# Altium PCB HB_T_Type.PcbDoc (part 2 of 2)
Units mm, origin at the board's own origin, x right, y up, seen from the top; angles counter-clockwise.
Board outline 120 x 200 mm, 4 copper layers (Top Layer, GND, Vcc, Bottom Layer), stack 1.256 mm thick; 100 components, 83 nets, 371 pads, 36 vias.
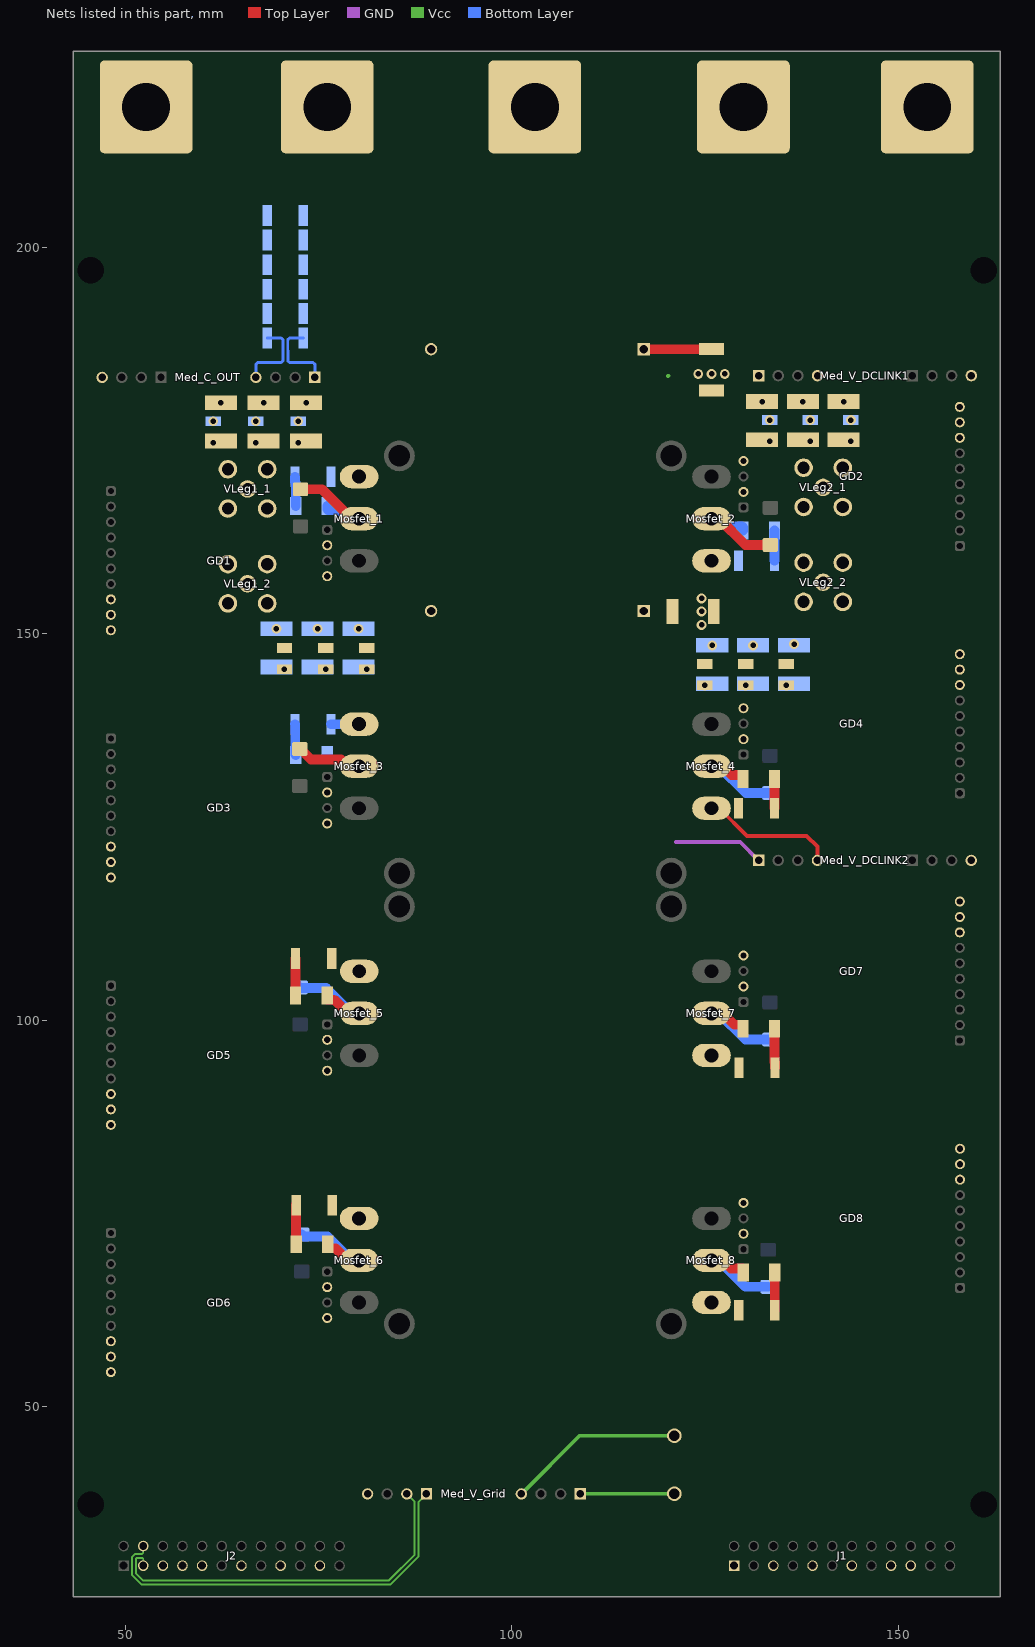
[diagram p4: the nets of this part, all layers, seen from the top]

## Via types
v1: diameter 1.27, hole 0.711, Top Layer to Bottom Layer, 24 vias
v2: diameter 1.27, hole 0.711, Top Layer to Bottom Layer, tented both sides, 12 vias

## Nets (pads, with @x,y where several pads share a name; then routed paths per layer and width w, separated by ;. In a path a pad name is that pad's centre, name@x,y a point inside that pad or via, vN(x,y) a via of type N, cw(c..) or ccw(c..) an arc to the next point about the centre after c; other vN are vias at no path point) (continued)
GD_Source1: C5.1 C8.1 D3.K D6.K GD1.12 GD1.14 Med_C_OUT.1 Mosfet_1.S Mosfet_3.D Mosfet_6.D R1.2 R4.2 R18.2 R19.2 R20.2 R21.2 R22.2 | length 32.8
  Top Layer w1.27: D3.K@72.575,135.125 72.675,135.125 74.032,133.768 77.918,133.768 78.796,132.89 Mosfet_3.D@80.264,132.89 ; C8.1@76.192,71.025 76.192,70.605 76.292,70.505 77.231,70.505 78.796,68.94 Mosfet_6.D@80.264,68.94
  Bottom Layer w0.381: R1.2@73.045,188.3 71.251,188.3 71.027,188.077 71.027,186.662 71.032,186.657 71.032,185.35 71.256,185.127 74.302,185.127 74.525,184.904 Med_C_OUT.1@74.525,183.2
  Bottom Layer w1.27: D6.K@72.825,72.3 73.09,72.035 76.169,72.035 79.264,68.94 Mosfet_6.D@80.264,68.94
GD_Source2: C6.1 C10.1 D4.K D8.K GD2.12 GD2.14 Mosfet_2.S Mosfet_4.D Mosfet_8.D Out_B.1 R5.2 | length 27.8
  Top Layer w1.27: Mosfet_8.D@125.857,68.94 127.325,68.94 128.37,67.895 129.858,67.895 129.958,67.795 C10.1@129.958,67.375 ; Mosfet_4.D@125.857,132.89 127.325,132.89 128.445,131.77 129.833,131.77 129.933,131.67 C6.1@129.933,131.25
  Bottom Layer w1.27: Mosfet_8.D@125.857,68.94 126.857,68.94 130.272,65.525 D8.K@133.2,65.525 ; Mosfet_4.D@125.857,132.89 126.857,132.89 130.322,129.425 D4.K@133.425,129.425
GD_Source3: GD3.12 GD3.14 GD4.12 GD4.14 Med_V_DCLINK2.4 Mosfet_3.S Mosfet_4.S N.1 R6.2 R7.2 R15.1 R16.1 R17.1 R26.1 R27.1 R28.1 R30.2 VLeg1_1.2 VLeg1_1.3 VLeg1_1.4 VLeg1_1.5 VLeg1_2.2 VLeg1_2.3 VLeg1_2.4 VLeg1_2.5 VLeg2_1.2 VLeg2_1.3 VLeg2_1.4 VLeg2_1.5 VLeg2_2.2 VLeg2_2.3 VLeg2_2.4 VLeg2_2.5 | length 21.2
  Top Layer w0.5: Mosfet_4.S@125.857,127.45 126.857,127.45 130.432,123.875 138.175,123.875 139.57,122.48 Med_V_DCLINK2.4@139.57,120.7
  Bottom Layer w1.27: R6.2@76.635,138.33 Mosfet_3.S@80.264,138.33
GD_Source5: GD5.12 GD5.14 GD6.12 GD6.14 Mosfet_5.S Mosfet_6.S R8.2 R9.2
GD_Source7: GD7.12 GD7.14 GD8.12 GD8.14 Mosfet_7.S Mosfet_8.S R10.2 R11.2
GND: GD1.8 GD1.9 GD1.10 GD2.8 GD2.9 GD2.10 GD3.8 GD3.9 GD3.10 GD4.8 GD4.9 GD4.10 GD5.8 GD5.9 GD5.10 GD6.8 GD6.9 GD6.10 GD7.8 GD7.9 GD7.10 GD8.8 GD8.9 GD8.10 J1.01 J1.05 J1.09 J1.13 J1.17 J1.19 J2.05 J2.07 J2.09 J2.13 J2.17 J2.21 Med_C_OUT.8 Med_V_DCLINK1.8 Med_V_DCLINK2.8 Med_V_Grid.8
NetC1_1: C1.1 R29.1 | length 8.8
  Top Layer w1.27: C1.1@117.075,186.85 R29.1@125.85,186.85
NetC2_1: C2.1 R30.1
  other v2: 124.575,151.175 124.575,152.925 124.575,154.6
NetC3_2: C3.2 R4.1 | length 3.8
  Bottom Layer w1.27: R4.1@71.965,170.35 71.965,169.685 72.058,169.592 C3.2@72.058,166.575
NetC4_2: C4.2 R5.1 | length 3.9
  Bottom Layer w1.27: R5.1@134.01,159.475 134.014,159.479 134.014,163.397 C4.2@134.017,163.4
NetC5_2: C5.2 R6.1 | length 4
  Bottom Layer w1.27: R6.1@71.965,138.33 72,138.295 72,134.408 C5.2@72.058,134.35
NetC6_2: C6.2 R7.1 | length 3.8
  Top Layer w1.27: R7.1@134.01,127.45 134.014,127.454 134.014,131.247 C6.2@134.017,131.25
NetC7_2: C7.2 R8.1 | length 4.8
  Top Layer w1.27: C7.2@72.033,103.2 R8.1@72.033,108
NetC8_2: C8.2 R9.1 | length 5.1
  Top Layer w1.27: C8.2@72.108,71.025 R9.1@72.108,76.1
NetC9_2: C9.2 R10.1 | length 5.1
  Top Layer w1.27: C9.2@134.017,98.925 134.017,94.608 134.085,94.54 R10.1@134.085,93.875
NetC10_2: C10.2 R11.1 | length 4.9
  Top Layer w1.27: R11.1@134.042,62.5 C10.2@134.042,67.375
NetC11_2: C11.2 R12.2
  other v1: 143.9,174.926
NetC12_2: C12.2 R13.2
  other v1: 138.625,174.926
NetC13_2: C13.2 R14.2
  other v1: 133.388,174.926
NetC14_2: C14.2 R15.2
  other v1: 70.602,145.428
NetC15_2: C15.2 R16.2
  other v1: 75.919,145.426
NetC16_2: C16.2 R17.2
  other v1: 81.219,145.426
NetC17_2: C17.2 R23.2
  other v1: 61.374,174.776
NetC18_2: C18.2 R24.2
  other v1: 66.887,174.776
NetC19_2: C19.2 R25.2
  other v1: 72.387,174.776
NetC20_2: C20.2 R26.2
  other v1: 124.994,143.351
NetC21_2: C21.2 R27.2
  other v1: 130.269,143.351
NetC22_2: C22.2 R28.2
  other v1: 135.553,143.353
O: C2.2 C7.1 C9.1 C14.1 C15.1 C16.1 C20.1 C21.1 C22.1 D5.K D7.K Med_V_DCLINK1.4 Med_V_DCLINK2.1 Mosfet_5.D Mosfet_7.D O.1 R12.1 R13.1 R14.1 R23.1 R24.1 R25.1 R29.2 | length 40.2
  Top Layer w1.27: C7.1@76.117,103.2 76.117,102.78 76.217,102.68 77.042,102.68 78.807,100.915 Mosfet_5.D@80.275,100.915 ; Mosfet_7.D@125.857,100.915 127.325,100.915 128.795,99.445 129.833,99.445 129.933,99.345 C9.1@129.933,98.925
  GND w0.5: 121.25,123.075 129.575,123.075 Med_V_DCLINK2.1@131.95,120.7
  Bottom Layer w1.27: D5.K@72.625,104.275 72.708,104.192 75.998,104.192 79.275,100.915 Mosfet_5.D@80.275,100.915 ; Mosfet_7.D@125.857,100.915 126.857,100.915 130.247,97.525 D7.K@133.425,97.525
  other v1: 125.959,148.523 131.235,148.523 136.535,148.685 69.559,150.673 74.884,150.673 80.185,150.673
  other v2: 61.374,177.536 66.887,177.536 72.387,177.536 133.388,177.686 138.625,177.686 143.9,177.686 124.15,183.65 125.875,183.65 127.575,183.65
Out_A: Med_C_OUT.4 Out_A.1 R1.1 R18.1 R19.1 R20.1 R21.1 R22.1 | length 10.2
  Bottom Layer w0.381: Med_C_OUT.4@66.905,183.2 66.905,184.904 67.128,185.127 70.174,185.127 70.397,185.35 70.397,186.394 70.392,186.399 70.392,188.077 70.169,188.3 R1.1@68.375,188.3
P: C1.2 C3.1 C4.1 C11.1 C12.1 C13.1 C17.1 C18.1 C19.1 D1.K D2.K Med_V_DCLINK1.1 Mosfet_1.D Mosfet_2.D P.1 VLeg1_1.1 VLeg1_2.1 VLeg2_1.1 VLeg2_2.1 | length 28.3
  Top Layer w1.27: D1.K@72.675,168.725 75.454,168.725 79.264,164.915 Mosfet_1.D@80.264,164.915 ; Mosfet_2.D@125.857,164.915 126.857,164.915 130.247,161.525 D2.K@133.475,161.525
  Vcc w0.5: 120.25,183.375 cw(c120.3,183.375) 120.3,183.425
  Bottom Layer w1.27: C3.1@76.142,166.575 76.142,166.155 76.242,166.055 77.656,166.055 78.796,164.915 Mosfet_1.D@80.264,164.915 ; Mosfet_2.D@125.857,164.915 127.325,164.915 128.32,163.92 129.833,163.92 129.933,163.82 C4.1@129.933,163.4
  other v1: 62.386,179.925 67.9,179.925 73.4,179.925 132.4,180.075 137.675,180.075 142.95,180.075
V_grid_N: J2.03 Med_V_Grid.6 | length 50
  Vcc w0.254: J2.03@52.324,29.44 52.324,30.307 52.175,30.456 51.502,30.456 51.358,30.312 51.358,28.45 52.283,27.525 84.125,27.525 87.451,30.851 87.451,37.709 Med_V_Grid.6@86.435,38.725
V_grid_P: J2.04 Med_V_Grid.5 | length 52.5
  Vcc w0.254: J2.04@52.324,31.98 52.324,31.113 52.175,30.964 51.292,30.964 50.85,30.522 50.85,28.24 52.073,27.017 84.335,27.017 87.959,30.641 87.959,37.709 Med_V_Grid.5@88.975,38.725
Vext1: J3.1 Med_V_Grid.1 | length 12.2
  Vcc w0.254: Med_V_Grid.1@108.875,38.725 Med_V_Grid.1@108.887,38.738 ; J3.1@121.038,38.738 J3.1@121.05,38.75
  Vcc w0.5: Med_V_Grid.1@108.887,38.738 J3.1@121.038,38.738
Vext2: J3.2 Med_V_Grid.4 | length 22.9
  Vcc w0.5: Med_V_Grid.4@101.255,38.725 108.78,46.25 J3.2@121.05,46.25
pads on no net: H1.0 H2.0 H3.0 H4.0 Med_C_OUT.2 Med_C_OUT.3 Med_V_DCLINK1.2 Med_V_DCLINK1.3 Med_V_DCLINK2.2 Med_V_DCLINK2.3 Med_V_Grid.2 Med_V_Grid.3 MH1.1 MH2.1 MH3.1 MH4.1

## Polygon pours and split planes (outlines as drawn)
GD_Source3 on Top Layer "Top Layer-GD_Source3" (solid, pour order 70): 130.1,125.2 130.1,129.05 ccw(c129.051,129.051) 129.05,130.1 122.925,130.1 cw(c122.924,131.149) 121.875,131.15 121.875,134.6 cw(c122.925,134.6) 122.925,135.65 145.25,135.65 ccw(c145.25,136.675) 146.275,136.675 146.275,171.75 ccw(c145.25,171.75) 145.25,172.775 136.4,172.775 ccw(c136.4,171.75) 135.375,171.75 135.375,150.3 cw(c134.375,150.3) 134.375,149.3 122.925,149.3 cw(c122.925,150.3) 121.925,150.3 121.925,203.31 ccw(c119.385,203.31) 119.385,205.85 86.915,205.85 cw(c86.914,208.389) 84.375,208.39 84.375,221.91 ccw(c81.835,221.91) 81.835,224.45 70.415,224.45 ccw(c70.415,221.91) 67.875,221.91 67.875,189.015 ccw(c70.415,189.015) 70.415,186.475 81.835,186.475 cw(c81.836,183.936) 84.375,183.935 84.375,156.775 cw(c83.388,156.812) 83.35,155.825 71.575,155.825 cw(c71.575,156.775) 70.625,156.775 70.625,171.325 ccw(c69.175,171.325) 69.175,172.775 60.475,172.775 ccw(c60.475,171.325) 59.025,171.325 59.025,136.875 ccw(c60.45,136.875) 60.45,135.45 83.35,135.45 cw(c83.35,134.314) 84.486,134.314 84.486,131.561 cw(c83.351,131.561) 83.35,130.425 75.475,130.425 ccw(c75.474,129.376) 74.425,129.375 74.425,125.2 ccw(c75.475,125.2) 75.475,124.15 129.05,124.15 ccw(c129.05,125.2)
12V on Top Layer "Top Layer-12V" (solid, pour order 32): 44.244,28.343 ccw(c46.025,28.343) 46.025,26.562 159.762,26.562 ccw(c159.763,28.342) 161.544,28.343 161.544,181.136 ccw(c160.819,181.136) 160.819,181.861 155.9,181.861 ccw(c155.9,181.136) 155.175,181.136 155.175,36.6 cw(c153.95,36.6) 153.95,35.375 52,35.375 cw(c52,36.6) 50.775,36.6 50.775,170.436 ccw(c50.1,170.436) 50.1,171.111 44.919,171.111 ccw(c44.918,170.436) 44.244,170.436
GD_Source7 on Top Layer "GD_SOURCE7_L01_P022" (solid, pour order 22): 124.465,92.413 ccw(c124.465,89.873) 121.925,89.873 121.925,80.025 ccw(c124.55,80.025) 124.55,77.4 130.602,77.4 cw(c130.602,76.703) 131.3,76.702 131.3,72.148 cw(c130.603,72.147) 130.602,71.45 124.797,71.45 ccw(c124.797,68.578) 121.925,68.578 ccw(c124.465,68.578) 124.465,66.038 129.337,66.038 cw(c129.337,65.325) 130.05,65.325 130.05,60.904 cw(c129.338,60.904) 129.337,60.192 109.59,60.163 cw(c109.59,62.702) 107.05,62.703 107.05,106.985 cw(c109.59,106.985) 109.59,109.525 131.025,109.525 cw(c131.025,108.8) 131.75,108.8 131.75,104.25 cw(c131.025,104.25) 131.025,103.525 124.465,103.525 ccw(c124.465,100.985) 121.925,100.985 121.925,100.952 ccw(c124.465,100.952) 124.465,98.413 129.812,98.413 cw(c129.813,97.8) 130.425,97.8 130.425,93.025 cw(c129.813,93.025) 129.812,92.412
GD_Source5 on Top Layer "GD_SOURCE5_L01_P023" (solid, pour order 23): 81.86,103.675 cw(c81.86,101.135) 84.4,101.135 84.396,100.986 cw(c81.86,100.985) 81.86,98.45 74.9,98.45 ccw(c74.9,97.95) 74.4,97.95 74.4,93.075 ccw(c74.9,93.075) 74.9,92.575 81.86,92.575 cw(c81.86,90.035) 84.4,90.035 84.396,80.461 cw(c81.86,80.46) 81.86,77.925 76.55,77.925 ccw(c76.55,77.1) 75.725,77.1 75.725,72.25 ccw(c76.55,72.25) 76.55,71.425 81.86,71.425 cw(c81.863,68.954) 84.334,68.951 84.326,68.766 cw(c81.858,68.769) 81.86,66.3 75.15,66.3 ccw(c75.15,65.55) 74.4,65.55 74.4,61.2 ccw(c75.15,61.2) 75.15,60.45 96.735,60.45 ccw(c96.735,62.99) 99.275,62.99 99.275,107.135 ccw(c96.735,107.135) 96.735,109.675 76.35,109.675 ccw(c76.349,109.051) 75.725,109.05 75.725,104.325 ccw(c76.35,104.325) 76.35,103.7
O on Top Layer "O_L01_P062" (solid, pour order 62): 123.15,184.15 123.15,181.204 ccw(c124.1,181.204) 124.1,180.254 127.575,180.254 ccw(c127.575,181.204) 128.525,181.204 128.525,184.15 ccw(c127.575,184.15) 127.575,185.1 124.1,185.1 ccw(c124.1,184.15)
NetC2_1 on Top Layer "NETC2_1_L01_P065" (solid, pour order 65): 123.902,150.325 126.848,150.325 ccw(c126.848,151.275) 127.798,151.275 127.798,154.75 ccw(c126.848,154.75) 126.848,155.7 123.902,155.7 ccw(c123.902,154.75) 122.952,154.75 122.952,151.275 ccw(c123.902,151.275)
O on GND "GND-Drain5" (solid, pour order 63): 127.925,98.4 ccw(c127.925,98.975) 128.5,98.975 128.5,102.9 ccw(c127.94,102.915) 127.925,103.475 124.45,103.475 cw(c124.449,105.999) 121.925,106 121.925,139.675 cw(c124.125,139.675) 124.125,141.875 144.15,141.875 ccw(c144.15,144) 146.275,144 146.275,183.225 ccw(c144.4,183.225) 144.4,185.1 122.875,185.1 cw(c122.875,186.05) 121.925,186.05 121.925,203.36 ccw(c119.385,203.36) 119.385,205.9 113.35,205.9 cw(c113.349,207.674) 111.575,207.675 111.575,222.3 ccw(c109.25,222.3) 109.25,224.625 96.59,224.625 ccw(c96.59,222.085) 94.05,222.085 94.05,208.44 cw(c91.511,208.439) 91.51,205.9 86.94,205.9 ccw(c86.94,203.36) 84.4,203.36 84.4,179.25 cw(c83.476,179.249) 83.475,178.325 60.5,178.325 ccw(c60.5,176.85) 59.025,176.85 59.025,142.075 ccw(c60.25,142.075) 60.25,140.85 81.875,140.85 cw(c81.875,138.325) 84.4,138.325 84.4,106.165 cw(c81.862,106.163) 81.86,103.625 78.325,103.625 ccw(c78.323,102.902) 77.6,102.9 77.6,99.125 ccw(c78.324,99.124) 78.325,98.4
GND on GND "GND-GND" (solid, pour order 43): 159.799,26.561 ccw(c159.8,28.36) 161.6,28.361 161.6,184.412 ccw(c160.865,184.414) 160.862,185.15 155.9,185.15 ccw(c155.898,184.414) 155.162,184.414 155.162,170.34 cw(c152.894,170.34) 154.498,168.735 152.201,166.438 ccw(c154.134,164.505) 151.4,164.505 151.4,141.605 cw(c148.128,141.605) 150.442,139.292 142.81,131.66 ccw(c146.335,128.135) 141.35,128.135 141.35,81.91 cw(c136.738,81.91) 139.999,78.649 ccw(c141.868,76.78) 139.225,76.78 139.225,55.134 cw(c134.375,55.134) 137.805,51.705 128.616,42.516 ccw(c131.369,39.762) 127.475,39.762 127.475,35.375 86.164,35.375 cw(c86.164,36.589) 84.95,36.589 84.95,48.95 ccw(c80.775,48.95) 80.775,53.125 70.875,53.125 cw(c70.875,56.4) 67.6,56.4 67.6,70.428 ccw(c64.349,70.428) 66.648,72.727 63.991,75.384 cw(c66.503,77.897) 62.95,77.897 62.95,100.445 ccw(c59.799,100.445) 62.027,102.673 59.801,104.899 cw(c62.52,107.617) 58.675,107.617 58.675,129.909 ccw(c55.982,129.909) 57.886,131.814 54.763,134.937 cw(c56.664,136.839) 53.975,136.839 53.975,161.267 ccw(c52.327,161.267) 53.492,162.433 51.716,164.209 cw(c53.987,166.48) 50.775,166.48 50.775,183.625 ccw(c49.627,183.627) 49.625,184.775 45.45,184.775 ccw(c45.448,183.627) 44.3,183.625 44.3,28.361 ccw(c46.101,28.361) 46.101,26.561
GD_Source2 on Bottom Layer "Bottom Layer-Drain4" (solid, pour order 30): 159.9,186.475 ccw(c159.526,188.824) 161.875,189.2 161.875,222.325 ccw(c159.901,222.326) 159.9,224.3 147.35,224.3 ccw(c147.349,222.326) 145.375,222.325 145.375,208.415 cw(c142.836,208.414) 142.835,205.875 109.59,205.875 ccw(c109.589,203.336) 107.05,203.335 107.05,68.84 ccw(c109.589,68.839) 109.59,66.3 127.65,66.3 ccw(c127.65,67.15) 128.5,67.15 128.5,70.6 ccw(c127.651,70.601) 127.65,71.45 123.375,71.45 cw(c123.375,72.9) 121.925,72.9 121.925,128.675 cw(c123.375,128.675) 123.375,130.125 125.825,130.1 128.15,130.125 ccw(c128.151,130.549) 128.575,130.55 128.575,135.025 ccw(c128.151,135.026) 128.15,135.45 123.375,135.45 cw(c123.375,136.9) 121.925,136.9 121.925,155.151 cw(c123.374,155.151) 123.375,156.6 129.275,156.6 ccw(c129.276,157.599) 130.275,157.6 130.275,161.375 ccw(c129.276,161.376) 129.275,162.375 123.383,162.375 cw(c123.382,163.832) 121.925,163.833 121.925,165.975 cw(c123.375,165.975) 123.375,167.425 130.875,167.425 ccw(c130.875,168.25) 131.7,168.25 131.7,178.158 ccw(c130.908,178.125) 130.875,178.917 123.383,178.917 cw(c123.383,180.375) 121.925,180.375 121.925,185.017 cw(c124.414,183.986) 123.383,186.475
GD_Source1 on Bottom Layer "Bottom Layer-Drain3" (solid, pour order 74): 77.65,67.175 ccw(c78.526,67.175) 78.526,66.299 96.734,66.299 ccw(c96.735,68.839) 99.274,68.839 99.274,203.334 99.274,203.335 ccw(c96.735,203.335) 96.734,205.874 72.35,205.874 72.35,186.475 82.949,186.475 cw(c82.95,185.025) 84.399,185.025 84.399,180 cw(c82.949,180) 82.949,178.55 76.675,178.55 ccw(c76.674,177.551) 75.675,177.55 75.675,174.8 75.675,169.475 ccw(c77.4,169.475) 77.4,167.75 82.95,167.75 cw(c82.95,166.301) 84.399,166.301 84.399,163.974 cw(c82.949,163.974) 82.949,162.524 75.349,162.524 ccw(c75.349,161.25) 74.075,161.25 74.075,157.75 ccw(c75.35,157.75) 75.35,156.475 82.949,156.475 cw(c82.952,155.027) 84.399,155.025 84.399,136.899 cw(c82.95,136.899) 82.949,135.449 75.474,135.449 ccw(c75.473,135) 75.024,135 75.024,130.548 ccw(c75.473,130.548) 75.474,130.099 80.499,130.099 82.949,130.124 cw(c82.95,128.675) 84.399,128.674 84.399,72.899 cw(c82.95,72.899) 82.949,71.449 78.526,71.449 ccw(c78.525,70.574) 77.65,70.573
3.3V on Bottom Layer "Bottom Layer-3.3V" (solid, pour order 33): 44.312,28.324 ccw(c46.074,28.324) 46.075,26.562 159.85,26.562 ccw(c159.851,28.26) 161.55,28.262 161.55,184.475 161.55,184.476 ccw(c160.876,184.476) 160.875,185.15 155.835,185.15 ccw(c155.835,184.475) 155.16,184.475 155.16,36.585 cw(c153.95,36.585) 153.95,35.375 86.16,35.375 cw(c86.159,36.584) 84.95,36.585 84.95,37.425 84.95,40.8 ccw(c84.25,40.8) 84.25,41.5 81.025,41.5 ccw(c81.025,40.725) 80.25,40.725 80.25,36.585 cw(c79.04,36.585) 79.04,35.375 52.36,35 cw(c52.36,36.585) 50.775,36.585 50.775,35.588 50.775,183.762 ccw(c49.763,183.763) 49.762,184.775 45.325,184.775 ccw(c45.325,183.763) 44.312,183.762 44.312,28.324
Out_A on Bottom Layer "OUT_A_L04_P019" (solid, pour order 19): 46.424,186.475 69.05,186.475 69.05,205.874 63.489,205.874 cw(c63.489,208.414) 60.949,208.414 60.949,222.324 ccw(c58.974,222.324) 58.974,224.299 46.424,224.299 ccw(c46.424,222.325) 44.449,222.324 44.449,188.45 ccw(c46.424,188.45)
P on Vcc "Vcc-Drain1" (solid, pour order 50): 114.65,151.325 114.65,154.85 cw(c116.15,154.85) 116.15,156.35 125.05,156.35 cw(c125.05,154.85) 126.55,154.85 126.55,151.375 ccw(c127.625,151.375) 127.625,150.3 144.325,150.3 ccw(c144.325,152.25) 146.275,152.25 146.275,167.425 146.275,203.925 ccw(c144.325,203.925) 144.325,205.875 140.225,205.875 cw(c140.225,208.34) 137.76,208.34 137.76,221.845 ccw(c135.221,221.846) 135.22,224.385 124.255,224.385 ccw(c124.254,221.846) 121.715,221.845 121.715,208.34 cw(c119.251,208.339) 119.25,205.875 87.275,205.875 ccw(c87.274,203.001) 84.4,203 84.4,182.725 cw(c82.677,182.723) 82.675,181 61.075,181 ccw(c61.075,178.95) 59.025,178.95 59.025,167.725 59.025,152.775 ccw(c61.5,152.775) 61.5,150.3 113.625,150.3 ccw(c113.625,151.325)
NetC2_1 on Vcc "NETC2_1_L03_P064" (solid, pour order 64): 115.275,151.55 115.275,154.475 cw(c116.5,154.475) 116.5,155.7 124.725,155.7 cw(c124.725,154.475) 125.95,154.475 125.95,151.55 cw(c124.725,151.55) 124.725,150.325 116.5,150.325 cw(c116.5,151.55)

## Keep-outs
Keep-Out Layer:
  lines w0.254: 43.325,25.425 163.325,25.425 163.325,225.425 43.325,225.425 43.325,25.425

## Other copper
Top Layer:
  pour cut-out: 148.071,30.705 152.666,30.705 152.665,30.935 152.665,32.146 152.493,32.146 152.493,31.818 cw(c151.8,31.818) 151.8,31.125 149.002,31.125 cw(c149.002,31.883) 148.245,31.877 148.243,32.146 148.071,32.146
GND:
  pour cut-out: 74.015,30.582 74.015,29.44 74.337,29.44 74.337,29.587 cw(c75.037,29.587) 75.037,30.287 75.388,30.287 cw(c75.388,29.644) 76.031,29.644 76.031,29.44 76.353,29.44 76.353,30.573 ccw(c76.125,30.572) 76.125,30.801 74.243,30.801 ccw(c74.243,30.572) 74.015,30.582
  pour cut-out: 70.951,29.44 71.273,29.44 71.273,30.583 ccw(c71.045,30.572) 71.045,30.801 69.163,30.801 ccw(c69.163,30.572) 68.935,30.572 68.935,29.44 69.255,29.44 69.255,29.555 cw(c69.987,29.555) 69.987,30.287 70.288,30.287 cw(c70.288,29.624) 70.951,29.624
  pour cut-out: 64.912,30.287 65.163,30.287 cw(c65.163,29.579) 65.871,29.579 65.871,29.44 66.193,29.44 66.193,30.583 ccw(c65.965,30.572) 65.965,30.801 64.083,30.801 ccw(c64.083,30.572) 63.855,30.576 63.855,29.44 64.177,29.44 64.177,29.552 cw(c64.912,29.552)
  pour cut-out: 60.791,29.559 60.791,29.44 61.117,29.44 61.113,30.572 61.113,30.573 ccw(c60.885,30.572) 60.885,30.801 53.923,30.801 ccw(c53.923,30.572) 53.695,30.572 53.695,29.44 54.017,29.44 54.017,29.542 cw(c54.762,29.542) 54.762,30.287 60.063,30.287 cw(c60.063,29.559)
  pour cut-out: 129.625,29.44 129.947,29.44 129.947,30.58 ccw(c129.719,30.572) 129.741,30.8 128.75,30.8 128.75,30.287 128.788,30.287 cw(c128.788,29.45) 129.625,29.45
  pour cut-out: 132.917,30.801 ccw(c132.917,30.572) 132.689,30.587 132.689,29.44 133.011,29.44 133.011,29.611 cw(c133.687,29.611) 133.687,30.287 134.088,30.287 cw(c134.088,29.67) 134.705,29.67 134.705,29.44 135.027,29.44 135.027,30.581 135.027,30.582 ccw(c134.799,30.572) 134.799,30.801
  pour cut-out: 137.769,30.577 137.769,29.44 138.091,29.44 138.091,29.616 cw(c138.762,29.616) 138.762,30.287 139.113,30.287 cw(c139.113,29.615) 139.785,29.615 139.785,29.44 140.107,29.44 140.107,30.575 ccw(c139.879,30.572) 139.879,30.801 137.997,30.801 ccw(c137.997,30.572) 137.769,30.577
  pour cut-out: 143.812,30.287 144.213,30.287 cw(c144.213,29.635) 144.865,29.635 144.865,29.44 145.187,29.44 145.187,30.572 ccw(c144.959,30.572) 144.959,30.801 143.077,30.801 ccw(c143.077,30.572) 142.849,30.58 142.849,29.44 143.171,29.44 143.171,29.646 cw(c143.812,29.646)
  pour cut-out: 148.241,29.274 148.241,29.516 cw(c149.02,29.516) 149.02,30.295 151.755,30.295 cw(c151.755,29.557) 152.493,29.557 152.493,29.274 152.663,29.274 152.663,30.515 152.663,30.516 ccw(c152.436,30.487) 152.436,30.715 148.3,30.715 ccw(c148.3,30.487) 148.074,30.519 148.074,29.274
Bottom Layer:
  pour cut-out: 53.837,30.705 58.426,30.705 58.426,32.146 58.259,32.146 58.259,31.834 cw(c57.55,31.834) 57.55,31.125 54.725,31.125 cw(c54.725,31.841) 54.009,31.841 54.009,32.146 53.837,32.146
  pour cut-out: 121.775,170.275 123.859,168.907 127.95,170.94 127.95,171.089 123.825,169.25 124.857,172.118 123.475,172.118

## Silkscreen, mask and mechanical layers (free items; w line width, h text height)
Top Overlay:
  drawing of 236 lines, arcs and shapes, not listed
  text "NPC T-Type module v1.0" at 90.39,119.186 h3
  text "Date: June-2023" at 90.378,116.486 h2
  text "Project: FONDEF ID22I10031" at 90.378,114.728 h2
  text "P" at 89.855,97.895 h1
  text "G1" at 102.615,95.071 h1
  text "G2" at 110.511,95.078 h1
  text "G6" at 100.57,93.602 h1
  text "Out_A" at 117.195,90.78 h1
  text "G8" at 100.52,87.902 h1
  text "O" at 89.789,87.889 h1
  text "G5" at 94.72,87.752 h1
  text "Out_B" at 117.216,85.077 h1
  text "G7" at 94.62,82.077 h1
  text "G4" at 110.511,81.852 h1
  text "G3" at 102.615,81.845 h1
  text "N" at 89.845,77.703 h1
  text "|" at 79.95,40.45 h0.5
  text "GND" at 80.725,40.45 h0.5
  text "|" at 82.625,40.45 h0.5
  text "3.3V" at 82.975,40.45 h0.5
  text "|" at 85.025,40.45 h0.5
  text "SGN-" at 85.45,40.45 h0.5
  text "|" at 87.675,40.45 h0.5
  text "SGN+" at 88.05,40.45 h0.5
  text "|" at 90.2,40.45 h0.5
  text "|" at 99.975,40.4 h0.5
  text "V-" at 101,40.4 h0.5
  text "|" at 102.65,40.4 h0.5
  text "NC" at 103.458,40.4 h0.5
  text "|" at 105.05,40.4 h0.5
  text "NC" at 105.975,40.4 h0.5
  text "|" at 107.7,40.4 h0.5
  text "V+" at 108.575,40.4 h0.5
  text "|" at 110.225,40.4 h0.5
  text "GD 2" at 127.911,35.915 h1
  text "GD 4" at 132.991,35.915 h1
  text "GD 7" at 138.071,35.915 h1
  text "GD 8" at 143.151,35.915 h1
  text "POWER" at 148.231,35.915 h1
  text "MEAS SGN" at 153.311,35.915 h1
  text "MEAS SGN" at 48.936,35.29 h1
  text "POWER" at 54.016,35.29 h1
  text "GD 6" at 59.096,35.29 h1
  text "GD 5" at 64.176,35.29 h1
  text "GD 3" at 69.256,35.29 h1
  text "GD 1" at 74.336,35.29 h1
  text "GATE" at 127.893,35.17 h1
  text "GATE" at 132.973,35.17 h1
  text "GATE" at 138.053,35.17 h1
  text "GATE" at 143.133,35.171 h1
  text "RDY" at 145.883,35.177 h1
  text "12V" at 151.008,35.177 h1
  text "SGN+" at 153.266,35.171 h1
  text "SGN+" at 155.806,35.183 h1
  text "RDY" at 130.643,35.163 h1
  text "RDY" at 135.723,35.163 h1
  text "RDY" at 140.803,35.163 h1
  text "12V" at 148.468,35.164 h1
  text "SGN+" at 48.891,34.545 h1
  text "SGN+" at 51.431,34.545 h1
  text "3.3V" at 54.131,34.545 h1
  text "3.3V" at 56.671,34.545 h1
  text "GATE" at 59.078,34.545 h1
  text "RDY" at 61.828,34.538 h1
  text "GATE" at 64.158,34.546 h1
  text "RDY" at 66.908,34.552 h1
  text "GATE" at 69.238,34.546 h1
  text "RDY" at 71.988,34.552 h1
  text "GATE" at 74.318,34.546 h1
  text "RDY" at 77.068,34.552 h1
  text "GND" at 128.012,34.17 h1
  text "FLT" at 130.778,34.163 h1
  text "GND" at 133.092,34.17 h1
  text "FLT" at 135.858,34.163 h1
  text "GND" at 138.172,34.17 h1
  text "FLT" at 140.938,34.163 h1
  text "GND" at 143.252,34.17 h1
  text "FLT" at 146.018,34.163 h1
  text "GND" at 148.332,34.17 h1
  text "GND" at 150.872,34.17 h1
  text "SGN-" at 153.346,34.17 h1
  text "SGN-" at 155.886,34.17 h1
  text "SGN-" at 48.971,33.545 h1
  text "SGN-" at 51.511,33.545 h1
  text "GND" at 54.117,33.545 h1
  text "GND" at 56.657,33.545 h1
  text "GND" at 59.197,33.545 h1
  text "GND" at 64.277,33.545 h1
  text "GND" at 69.357,33.545 h1
  text "GND" at 74.437,33.545 h1
  text "FLT" at 61.963,33.538 h1
  text "FLT" at 67.043,33.538 h1
  text "FLT" at 72.123,33.538 h1
  text "FLT" at 77.203,33.538 h1
Bottom Overlay:
  text "|" at 150.625,185.225 h0.5
  text "SGN+" at 152.775,185.225 h0.5
  text "|" at 153.15,185.225 h0.5
  text "SGN-" at 155.375,185.225 h0.5
  text "|" at 155.8,185.225 h0.5
  text "3.3V" at 157.85,185.225 h0.5
  text "|" at 158.2,185.225 h0.5
  text "GND" at 160.1,185.225 h0.5
  text "|" at 160.875,185.225 h0.5
  text "|" at 130.6,185.175 h0.5
  text "V+" at 132.25,185.175 h0.5
  text "|" at 133.125,185.175 h0.5
  text "NC" at 134.85,185.175 h0.5
  text "|" at 135.775,185.175 h0.5
  text "NC" at 137.367,185.175 h0.5
  text "|" at 138.175,185.175 h0.5
  text "V-" at 139.825,185.175 h0.5
  text "|" at 140.85,185.175 h0.5
  text "|" at 65.625,181.075 h0.5
  text "V-" at 67.275,181.075 h0.5
  text "|" at 68.15,181.075 h0.5
  text "NC" at 69.875,181.075 h0.5
  text "|" at 70.8,181.075 h0.5
  text "NC" at 72.392,181.075 h0.5
  text "|" at 73.2,181.075 h0.5
  text "V+" at 74.85,181.075 h0.5
  text "|" at 75.875,181.075 h0.5
  text "|" at 45.7,181.025 h0.5
  text "GND" at 47.6,181.025 h0.5
  text "|" at 48.225,181.025 h0.5
  text "3.3V" at 50.408,181.025 h0.5
  text "|" at 50.875,181.025 h0.5
  text "SGN-" at 52.967,181.025 h0.5
  text "|" at 53.275,181.025 h0.5
  text "SGN+" at 55.425,181.025 h0.5
  text "|" at 55.95,181.025 h0.5
  text "|" at 150.625,122.4 h0.5
  text "SGN+" at 152.775,122.4 h0.5
  text "|" at 153.15,122.4 h0.5
  text "SGN-" at 155.375,122.4 h0.5
  text "|" at 155.8,122.4 h0.5
  text "3.3V" at 157.85,122.4 h0.5
  text "|" at 158.2,122.4 h0.5
  text "GND" at 160.1,122.4 h0.5
  text "|" at 160.875,122.4 h0.5
  text "|" at 130.6,122.35 h0.5
  text "V+" at 132.25,122.35 h0.5
  text "|" at 133.125,122.35 h0.5
  text "NC" at 134.85,122.35 h0.5
  text "|" at 135.775,122.35 h0.5
  text "NC" at 137.367,122.35 h0.5
  text "|" at 138.175,122.35 h0.5
  text "V-" at 139.825,122.35 h0.5
  text "|" at 140.85,122.35 h0.5

## Dimensions
43.325,25.425 to 163.325,25.425 on Mechanical 1
43.325,25.425 to 43.325,225.425 on Mechanical 1

## Text inside footprints (layer, text, board x,y; h text height)
*: Top Overlay "POWER & ENERGY CONVERSION LABORATORY" at 91.708,122.275 h1.4
D1: Top Overlay "K" at 74.425,168.925 h0.5
D2: Top Overlay "K" at 132.168,160.903 h0.5 r180
D3: Top Overlay "K" at 73.882,135.747 h0.5
D4: Bottom Overlay "K" at 134.425,128.875 h0.5 r180
D5: Bottom Overlay "K" at 71.75,104.95 h0.5
D6: Bottom Overlay "K" at 71.518,72.922 h0.5
D7: Bottom Overlay "K" at 134.425,96.925 h0.5 r180
D8: Bottom Overlay "K" at 134.507,64.903 h0.5 r180
GD1: Top Overlay "S" at 74.412,161.228 h1; Top Overlay "G" at 74.412,159.228 h1; Top Overlay "S" at 74.412,157.228 h1; Top Overlay "D" at 74.412,163.219 h1; Top Overlay "___" at 45.83,162.929 h1; Top Overlay "GATE" at 45.241,160.192 h1; Top Overlay "3.3V" at 45.507,168.192 h1; Top Overlay "3.3V" at 45.507,166.192 h1; Top Overlay "RDY" at 45.659,164.186 h1; Top Overlay "FLT" at 45.928,162.183 h1; Top Overlay "GND" at 45.478,154.192 h1; Top Overlay "GND" at 45.478,152.192 h1; Top Overlay "GND" at 45.478,150.192 h1; Top Overlay "12V" at 45.75,156.186 h1; Top Overlay "12V" at 45.75,158.186 h1
GD2: Top Overlay "S" at 131.709,168.644 h1 r180; Top Overlay "G" at 131.709,170.644 h1 r180; Top Overlay "S" at 131.709,172.644 h1 r180; Top Overlay "D" at 131.709,166.653 h1 r180; Top Overlay "___" at 160.291,166.943 h1 r180; Top Overlay "GATE" at 160.88,169.68 h1 r180; Top Overlay "3.3V" at 160.614,161.68 h1 r180; Top Overlay "3.3V" at 160.614,163.68 h1 r180; Top Overlay "RDY" at 160.462,165.686 h1 r180; Top Overlay "FLT" at 160.193,167.689 h1 r180; Top Overlay "GND" at 160.643,175.68 h1 r180; Top Overlay "GND" at 160.643,177.68 h1 r180; Top Overlay "GND" at 160.643,179.68 h1 r180; Top Overlay "12V" at 160.371,173.686 h1 r180; Top Overlay "12V" at 160.371,171.686 h1 r180
GD3: Top Overlay "12V" at 45.75,126.186 h1; Top Overlay "12V" at 45.75,124.186 h1; Top Overlay "GND" at 45.478,118.192 h1; Top Overlay "GND" at 45.478,120.192 h1; Top Overlay "GND" at 45.478,122.192 h1; Top Overlay "FLT" at 45.928,130.183 h1; Top Overlay "RDY" at 45.659,132.186 h1; Top Overlay "3.3V" at 45.507,134.192 h1; Top Overlay "3.3V" at 45.507,136.192 h1; Top Overlay "GATE" at 45.241,128.192 h1; Top Overlay "___" at 45.83,130.929 h1; Top Overlay "D" at 74.412,131.219 h1; Top Overlay "S" at 74.412,125.228 h1; Top Overlay "G" at 74.412,127.228 h1; Top Overlay "S" at 74.412,129.228 h1
GD4: Top Overlay "12V" at 160.371,139.686 h1 r180; Top Overlay "12V" at 160.371,141.686 h1 r180; Top Overlay "GND" at 160.643,147.68 h1 r180; Top Overlay "GND" at 160.643,145.68 h1 r180; Top Overlay "GND" at 160.643,143.68 h1 r180; Top Overlay "FLT" at 160.193,135.689 h1 r180; Top Overlay "RDY" at 160.462,133.686 h1 r180; Top Overlay "3.3V" at 160.614,131.68 h1 r180; Top Overlay "3.3V" at 160.614,129.68 h1 r180; Top Overlay "GATE" at 160.88,137.68 h1 r180; Top Overlay "___" at 160.291,134.943 h1 r180; Top Overlay "D" at 131.709,134.653 h1 r180; Top Overlay "S" at 131.709,140.644 h1 r180; Top Overlay "G" at 131.709,138.644 h1 r180; Top Overlay "S" at 131.709,136.644 h1 r180
GD5: Top Overlay "S" at 74.412,97.228 h1; Top Overlay "G" at 74.412,95.228 h1; Top Overlay "S" at 74.412,93.228 h1; Top Overlay "D" at 74.412,99.219 h1; Top Overlay "___" at 45.83,98.929 h1; Top Overlay "GATE" at 45.241,96.192 h1; Top Overlay "3.3V" at 45.507,104.192 h1; Top Overlay "3.3V" at 45.507,102.192 h1; Top Overlay "RDY" at 45.659,100.186 h1; Top Overlay "FLT" at 45.928,98.183 h1; Top Overlay "GND" at 45.478,90.192 h1; Top Overlay "GND" at 45.478,88.192 h1; Top Overlay "GND" at 45.478,86.192 h1; Top Overlay "12V" at 45.75,92.186 h1; Top Overlay "12V" at 45.75,94.186 h1
GD6: Top Overlay "12V" at 45.75,62.186 h1; Top Overlay "12V" at 45.75,60.186 h1; Top Overlay "GND" at 45.478,54.192 h1; Top Overlay "GND" at 45.478,56.192 h1; Top Overlay "GND" at 45.478,58.192 h1; Top Overlay "FLT" at 45.928,66.183 h1; Top Overlay "RDY" at 45.659,68.186 h1; Top Overlay "3.3V" at 45.507,70.192 h1; Top Overlay "3.3V" at 45.507,72.192 h1; Top Overlay "GATE" at 45.241,64.192 h1; Top Overlay "___" at 45.83,66.929 h1; Top Overlay "D" at 74.412,67.219 h1; Top Overlay "S" at 74.412,61.228 h1; Top Overlay "G" at 74.412,63.228 h1; Top Overlay "S" at 74.412,65.228 h1
GD7: Top Overlay "12V" at 160.371,107.686 h1 r180; Top Overlay "12V" at 160.371,109.686 h1 r180; Top Overlay "GND" at 160.643,115.68 h1 r180; Top Overlay "GND" at 160.643,113.68 h1 r180; Top Overlay "GND" at 160.643,111.68 h1 r180; Top Overlay "FLT" at 160.193,103.689 h1 r180; Top Overlay "RDY" at 160.462,101.686 h1 r180; Top Overlay "3.3V" at 160.614,99.68 h1 r180; Top Overlay "GATE" at 160.88,105.68 h1 r180; Top Overlay "___" at 160.291,102.943 h1 r180; Top Overlay "D" at 131.709,102.653 h1 r180; Top Overlay "S" at 131.709,108.644 h1 r180; Top Overlay "G" at 131.709,106.644 h1 r180; Top Overlay "S" at 131.709,104.644 h1 r180; Top Overlay "3.3V" at 160.614,97.68 h1 r180
GD8: Top Overlay "S" at 131.729,72.644 h1 r180; Top Overlay "G" at 131.729,74.644 h1 r180; Top Overlay "S" at 131.729,76.644 h1 r180; Top Overlay "D" at 131.729,70.653 h1 r180; Top Overlay "___" at 160.311,70.943 h1 r180; Top Overlay "GATE" at 160.9,73.68 h1 r180; Top Overlay "3.3V" at 160.634,65.68 h1 r180; Top Overlay "3.3V" at 160.634,67.68 h1 r180; Top Overlay "RDY" at 160.482,69.686 h1 r180; Top Overlay "FLT" at 160.213,71.689 h1 r180; Top Overlay "GND" at 160.663,79.68 h1 r180; Top Overlay "GND" at 160.663,81.68 h1 r180; Top Overlay "GND" at 160.663,83.68 h1 r180; Top Overlay "12V" at 160.391,77.686 h1 r180; Top Overlay "12V" at 160.391,75.686 h1 r180
Mosfet_1: Bottom Overlay "G" at 83.239,159.171 h0.8 r270; Bottom Overlay "D" at 83.239,164.648 h0.8 r270; Bottom Overlay "S" at 83.239,170.071 h0.8 r270
Mosfet_2: Bottom Overlay "G" at 122.882,170.659 h0.8 r90; Bottom Overlay "D" at 122.882,165.182 h0.8 r90; Bottom Overlay "S" at 122.882,159.759 h0.8 r90
Mosfet_3: Bottom Overlay "S" at 83.239,138.046 h0.8 r270; Bottom Overlay "D" at 83.239,132.623 h0.8 r270; Bottom Overlay "G" at 83.239,127.146 h0.8 r270
Mosfet_4: Bottom Overlay "S" at 122.882,127.734 h0.8 r90; Bottom Overlay "D" at 122.882,133.157 h0.8 r90; Bottom Overlay "G" at 122.882,138.634 h0.8 r90
Mosfet_5: Bottom Overlay "S" at 83.25,106.071 h0.8 r270; Bottom Overlay "D" at 83.25,100.648 h0.8 r270; Bottom Overlay "G" at 83.25,95.171 h0.8 r270
Mosfet_6: Bottom Overlay "S" at 83.239,74.096 h0.8 r270; Bottom Overlay "D" at 83.239,68.673 h0.8 r270; Bottom Overlay "G" at 83.239,63.196 h0.8 r270
Mosfet_7: Bottom Overlay "S" at 122.882,95.759 h0.8 r90; Bottom Overlay "D" at 122.882,101.182 h0.8 r90; Bottom Overlay "G" at 122.882,106.659 h0.8 r90
Mosfet_8: Bottom Overlay "S" at 122.882,63.784 h0.8 r90; Bottom Overlay "D" at 122.882,69.207 h0.8 r90; Bottom Overlay "G" at 122.882,74.684 h0.8 r90